# Altium PCB Mainboard_V1.0.PcbDoc (part 2 of 4)
Units mm, origin at the board's own origin, x right, y up, seen from the top; angles counter-clockwise.
Board outline 150 x 150 mm, 4 copper layers (Top Layer, Mid-Layer 1, Mid-Layer 2, Bottom Layer), stack 1.58 mm thick; 217 components, 154 nets, 806 pads, 700 vias.
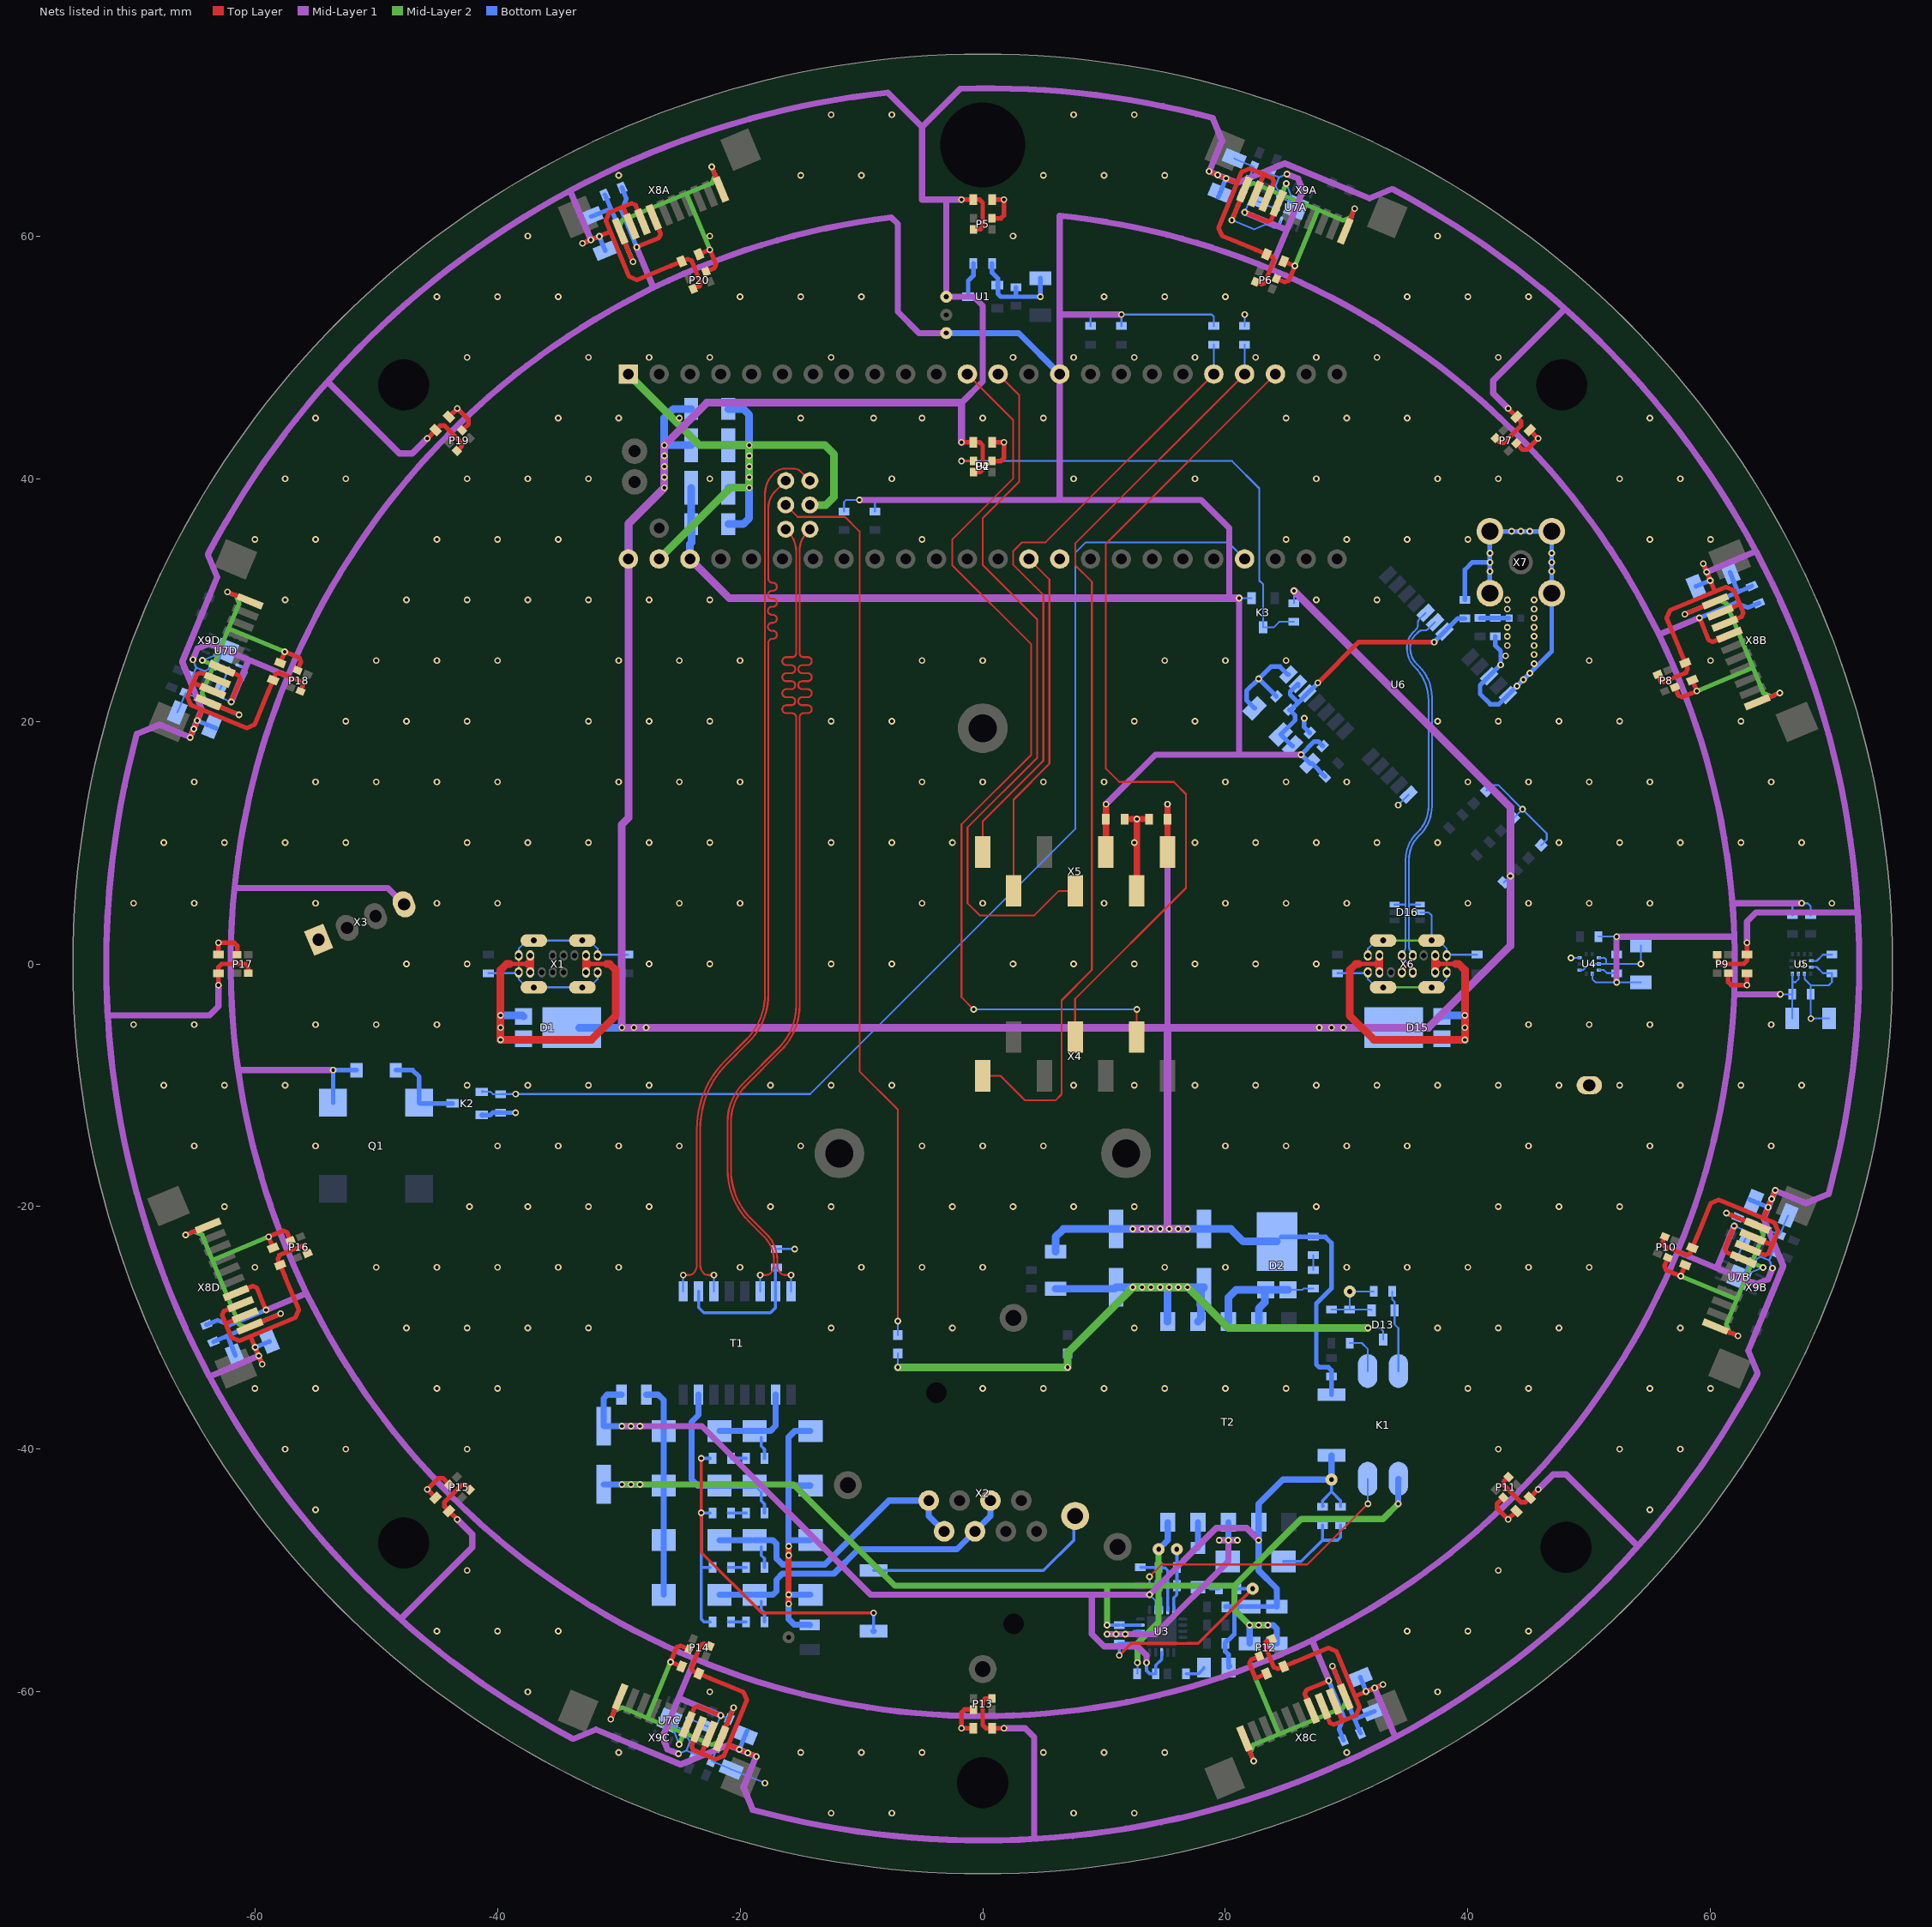
[diagram p4: the nets of this part, all layers, seen from the top]

## Via types
v1: diameter 0.55, hole 0.3, Top Layer to Bottom Layer, tented both sides, 652 vias
v2: diameter 0.55, hole 0.3, Top Layer to Bottom Layer, tented top, 48 vias

## Nets (pads, with @x,y where several pads share a name; then routed paths per layer and width w, separated by ;. In a path a pad name is that pad's centre, name@x,y a point inside that pad or via, vN(x,y) a via of type N, cw(c..) or ccw(c..) an arc to the next point about the centre after c; other vN are vias at no path point) (continued)
3V3: C4.P C5.2 C28.2 C29.2 C30.2 C31.2 C34.2 C52.1 C57A.2 C57B.2 C57C.2 C57D.2 C59A.2 C59B.2 C59C.2 C59D.2 C61A.2 C61B.2 C61C.2 C61D.2 D14.K K3.G L3.1 Q1.1 R2.2 R24.1 R25.1 R26.2 R27.2 R28.2 R29.2 R38.2 R39.1 R40.1 TP3.1 U2.15 U2.46 U4.1 U4.10 U5.9 U5.10 U7A.13 U7A.16 U7B.13 U7B.16 U7C.13 U7C.16 U7D.12 U7D.13 U7D.16 X3.4 X5.5 X8A.4 X8B.4 X8C.4 X8D.4 X9A.4 X9B.4 X9C.4 X9D.4 | length 791.1
  Top Layer w0.381: X9D.4@-62.705,24.35 -61.863,24.001 -61.319,23.776 -61.184,23.449 v1(-61.949,21.601) ; X8D.4@-61.557,-27.121 -60.716,-26.774 -60.172,-26.548 -59.845,-26.684 v1(-59.08,-28.531) ; v1(-28.531,59.08) -26.684,59.845 -26.548,60.172 -26.774,60.716 X8A.4@-27.121,61.557 ; X9C.4@-24.35,-62.703 -24.001,-61.863 -23.776,-61.319 -23.449,-61.184 v1(-21.601,-61.949) ; v1(21.601,61.949) 23.449,61.184 23.776,61.319 24.001,61.863 X9A.4@24.35,62.705 ; X8C.4@27.121,-61.556 26.774,-60.716 26.548,-60.172 26.684,-59.845 v1(28.531,-59.08) ; v1(59.08,28.531) 59.845,26.684 60.172,26.548 60.716,26.774 X8B.4@61.556,27.121 ; v1(61.949,-21.601) 61.184,-23.449 61.319,-23.776 61.863,-24.001 X9B.4@62.703,-24.35
  Top Layer w0.508: X5.5@10.16,9.22 10.16,11.938 v1(10.16,13.16)
  Mid-Layer 1 w0.508: v1(-65.11,25.075) -64.728,25.999 -63.748,26.405 -60.514,25.066 ; v1(-61.949,21.601) -60.514,25.066 ; v1(-59.08,-28.531) -55.741,-27.148 ; v1(-53.55,-8.75) -61.379,-8.75 ; X3.4@-47.702,4.915 -49.037,6.25 -61.684,6.25 ; v1(-28.531,59.08) -27.148,55.741 ; v1(-25.075,-65.11) -25.999,-64.728 -26.405,-63.748 -25.066,-60.514 ; v1(-21.601,-61.949) -25.066,-60.514 ; v1(-10.16,38.25) 6.35,38.25 ; TP3.1@-3,52 -5.25,52 -7,53.75 -7,61 -7.54,61.54 ccw(c0,0) -27.148,55.741 ; v1(10.16,13.16) 14.25,17.25 21.132,17.25 ; v1(11.43,53.532) 6.35,53.532 ; 20.325,30.25 20.325,35.925 18,38.25 6.35,38.25 ; v1(21.132,30.156) 21.132,17.25 ; v1(21.601,61.949) 25.066,60.514 ; v1(25.075,65.11) 25.999,64.728 26.405,63.748 25.066,60.514 ; v1(26.25,17.25) 21.132,17.25 ; v1(28.531,-59.08) 27.148,-55.741 ; v1(52.25,-1.524) v1(52.25,2.25) 61.959,2.25 ; v1(59.08,28.531) 55.741,27.148 ; v1(61.949,-21.601) 60.514,-25.066 ; 61.95,-2.498 ccw(c0,0) 61.959,2.25 ; v1(65.11,-25.075) 64.728,-25.999 63.748,-26.405 60.514,-25.066 ; v1(65.75,-2.5) 61.95,-2.5 cw(c0,0) 57.281,-23.726 ; v1(67.5,5) 61.798,5 ; -61.684,6.25 cw(c0,0) -57.281,23.726 ; -61.684,6.25 ccw(c0,0) -61.379,-8.75 ; -61.379,-8.75 ccw(c0,0) -55.741,-27.148 ; -60.514,25.066 -57.281,23.726 ; -57.281,23.726 cw(c0,0) -27.148,55.741 ; -55.741,-27.148 ccw(c0,0) -23.726,-57.281 ; -25.066,-60.514 -23.726,-57.281 ; -23.726,-57.281 ccw(c0,0) 27.148,-55.741 ; 6.35,38.25 U2.15@6.35,48.62 6.35,53.532 ; 6.35,53.532 6.35,61.674 cw(c0,0) 23.726,57.281 ; 23.726,57.281 cw(c0,0) 55.741,27.148 ; 23.726,57.281 25.066,60.514 ; 27.148,-55.741 ccw(c0,0) 57.281,-23.726 ; 55.741,27.148 cw(c0,0) 61.798,5 ; 57.281,-23.726 60.514,-25.066 ; 61.798,5 cw(c0,0) 61.959,2.25
  Mid-Layer 1 w0.635: U2.46@-24.13,33.38 -20.906,30.156 v1(21.132,30.156)
  Bottom Layer w0.152: C61D.2@-65.213,23.518 -65.121,23.74 -65.029,23.964 -64.84,24.422 ; v1(-65.11,25.075) -64.84,24.422 ; U7D.16@-63.712,24.529 -63.82,24.27 -64.088,24.159 cw(c-64.147,24.3) -64.205,24.159 -64.84,24.422 ; U7D.16@-63.711,24.529 U7D.16@-63.627,24.732 ; U7D.13@-62.242,24.158 -62.325,23.955 -62.72,23.006 C57D.2@-62.812,22.784 -62.905,22.561 -63.008,22.311 -62.873,21.984 v1(-61.949,21.601) -61.565,22.528 -61.279,23.218 -60.953,23.353 -60.666,24.046 -60.801,24.373 U7D.12@-61.058,24.48 ; U7D.12@-61.261,24.564 U7D.12@-61.058,24.48 ; v1(-25.075,-65.11) -24.422,-64.84 ; U7C.16@-24.733,-63.627 U7C.16@-24.529,-63.711 ; U7C.16@-24.529,-63.712 -24.27,-63.82 -24.159,-64.088 ; -24.159,-64.089 cw(c-24.3,-64.147) -24.159,-64.205 -24.422,-64.84 ; U7C.13@-24.158,-62.241 -23.955,-62.325 -23.006,-62.72 C57C.2@-22.784,-62.812 -22.561,-62.905 -22.311,-63.008 -21.984,-62.873 v1(-21.601,-61.949) -21.12,-62.148 R2.2@-20.897,-62.241 ; C61C.2@-23.518,-65.213 C61C.2@-23.741,-65.12 -23.964,-65.029 -24.422,-64.84 ; R25.1@-11.43,37.296 -11.43,38.07 -11.25,38.25 v1(-10.16,38.25) -9.07,38.25 -8.89,38.07 R24.1@-8.89,37.296 ; R39.1@8.89,52.578 8.89,53.352 9.07,53.532 v1(11.43,53.532) ; R40.1@11.43,52.578 v1(11.43,53.532) ; R29.2@19.05,52.578 19.05,53.352 18.87,53.532 16.69,53.532 v1(11.43,53.532) ; v1(21.132,30.156) K3.G@22.164,30.156 ; v1(21.601,61.949) 21.984,62.873 22.311,63.008 22.561,62.905 C57A.2@22.784,62.812 23.006,62.72 23.956,62.326 U7A.13@24.158,62.242 ; C61A.2@23.518,65.213 C61A.2@23.74,65.122 ; C61A.2@23.741,65.12 23.964,65.029 24.422,64.84 ; 24.159,64.088 24.27,63.82 U7A.16@24.529,63.712 ; 24.159,64.089 cw(c24.3,64.147) 24.159,64.205 24.422,64.84 v1(25.075,65.11) ; U7A.16@24.529,63.711 U7A.16@24.732,63.629 ; U4.1@50.25,-0.8 50.25,-1.25 50.524,-1.524 v1(52.25,-1.524) ; R26.2@50.762,2.25 v1(52.25,2.25) ; U4.10@50.8,-0.5 51.2,-0.5 51.4,-0.7 51.462,-0.762 C29.2@52.25,-0.762 v1(52.25,-1.524) ; C28.2@54.25,-1.524 v1(52.25,-1.524) ; v1(61.949,-21.601) 62.873,-21.984 63.008,-22.311 62.905,-22.561 C57B.2@62.812,-22.784 62.72,-23.006 U7B.13@62.326,-23.956 ; U7B.13@62.242,-24.158 U7B.13@62.325,-23.955 ; U7B.16@63.627,-24.732 63.711,-24.529 63.82,-24.27 64.088,-24.159 cw(c64.147,-24.3) 64.205,-24.159 64.84,-24.422 v1(65.11,-25.075) ; 64.84,-24.422 65.029,-23.964 C61B.2@65.122,-23.74 ; C61B.2@65.122,-23.74 C61B.2@65.213,-23.518 ; v1(65.75,-2.5) C31.2@66.738,-2.5 ; C30.2@66.726,-4.5 66.738,-4.488 C31.2@66.738,-2.5 ; U5.10@66.75,-0.81 66.75,-1.5 ; R27.2@66.75,4.012 66.75,4.75 67,5 v1(67.5,5) 68,5 68.25,4.75 R28.2@68.25,4.012 ; U5.9@67.25,-0.81 67.25,-1.25 67,-1.5 66.75,-1.5 ; C31.2@66.738,-2.5 66.75,-2.488 66.75,-1.5
  Bottom Layer w0.381: C59D.2@-63.99,-29.74 -63.754,-29.645 -63.062,-29.368 -62.082,-29.774 -61.62,-29.583 v1(-59.08,-28.531) ; Q1.1@-53.55,-11.45 v1(-53.55,-8.75) D14.K@-51.62,-8.75 ; C59A.2@-29.74,63.99 -29.645,63.754 -29.368,63.062 -29.774,62.082 -29.583,61.62 v1(-28.531,59.08) ; C52.1@28.039,17.961 27.662,18.337 27.337,18.337 v1(26.25,17.25) L3.1@26.968,16.532 27.141,16.532 R38.2@28.211,15.461 ; v1(28.531,-59.08) 29.583,-61.62 29.774,-62.082 29.368,-63.062 29.645,-63.754 C59C.2@29.739,-63.99 ; v1(59.08,28.531) 61.62,29.583 62.082,29.774 63.062,29.368 63.754,29.645 C59B.2@63.99,29.739
  Bottom Layer w0.508: TP3.1@-3,52 2.97,52 U2.15@6.35,48.62
  Bottom Layer w0.635: U2.46@-24.13,33.38 -24.13,34.62 -24,34.75 -24,36.226 C5.2@-24.024,36.25 C4.P@-24.024,39.25
5V: C1.2 C6.P C7.2 C9.1 C16.P C17.P C18.2 C33.2 C35.2 C36.2 C37.2 C38.2 C39.2 C40.2 C41.2 C42.2 C43.2 C44.2 C45.2 C46.2 C47.2 C48.2 C49.2 C50.2 C51.2 C60A.2 C60B.2 C60C.2 C60D.2 C62A.2 C62B.2 C62C.2 C62D.2 D1.K D2.K D15.K P4.1 P5.1 P6.1 P7.1 P8.1 P9.1 P10.1 P11.1 P12.1 P13.1 P14.1 P15.1 P16.1 P17.1 P18.1 P19.1 P20.1 R7.1 R8.2 R11.1 R32.2 TP2.1 U1.3 U2.48 X5.7 X8A.2 X8A.3 X8B.2 X8B.3 X8C.2 X8C.3 X8D.2 X8D.3 X9A.2 X9A.3 X9B.2 X9B.3 X9C.2 X9C.3 X9D.2 X9D.3 | length 1156.8
  Top Layer w0.381: v1(-65.328,18.671) v1(-65.041,19.364) v1(-64.754,20.057) -64.371,20.981 ; X9D.2@-63.469,22.502 -63.47,22.503 -64.309,22.85 -65.087,23.172 ; X9D.3@-63.086,23.426 -63.087,23.427 -63.926,23.774 -64.473,24 -64.8,23.864 -65.087,23.172 ; v1(-63,-1.75) C47.2@-63,-0.889 ; C47.2@-63,-0.762 -63,-0.25 -62.75,0 -60.75,0 -60.55,-0.2 P17.1@-60.55,-0.75 ; X8D.3@-61.174,-28.045 -62.014,-28.394 -62.56,-28.62 -62.696,-28.947 -62.409,-29.64 ; X8D.2@-60.791,-28.969 -61.631,-29.317 -62.409,-29.64 ; -60.353,-30.683 v1(-59.971,-31.606) v1(-59.684,-32.299) v1(-59.396,-32.992) ; C48.2@-58.447,23.522 C48.2@-58.496,23.405 ; C46.2@-57.961,-24.696 C46.2@-57.913,-24.813 ; P18.1@-56.228,22.479 -56.017,22.987 -56.126,23.248 -57.973,24.013 -58.3,23.878 C48.2@-58.496,23.405 ; P16.1@-55.654,-23.864 -55.864,-23.356 -56.126,-23.248 -57.973,-24.013 -58.109,-24.34 C46.2@-57.913,-24.813 ; v1(-45.785,43.31) C49.2@-45.176,43.919 ; C49.2@-45.087,44.009 -44.725,44.371 -44.371,44.371 -42.957,42.957 -42.957,42.674 P19.1@-43.346,42.285 ; C45.2@-44.009,-45.087 -44.371,-44.724 -44.371,-44.371 -42.957,-42.957 -42.674,-42.957 P15.1@-42.285,-43.346 ; C45.2@-43.919,-45.176 v1(-43.31,-45.785) ; v1@-32.992,59.397 v1(-32.299,59.684) v1(-31.606,59.971) -30.683,60.353 ; X8A.2@-28.969,60.791 -29.317,61.631 -29.64,62.409 ; X8A.3@-28.045,61.174 -28.394,62.014 -28.62,62.56 -28.947,62.696 -29.64,62.409 ; -25.727,57.535 -28.499,56.387 -29.152,56.658 -31.065,61.277 -30.795,61.93 -29.64,62.409 ; -25.726,57.535 -24.93,57.864 C50.2@-24.813,57.913 ; C50.2@-24.696,57.961 C50.2@-24.813,57.913 ; P20.1@-23.864,55.654 -23.356,55.864 -23.248,56.126 -24.013,57.973 -24.34,58.109 C50.2@-24.813,57.913 ; C44.2@-23.522,-58.447 C44.2@-23.405,-58.496 ; X9C.3@-23.426,-63.086 -23.774,-63.926 -24,-64.473 -23.864,-64.8 -23.172,-65.087 ; X9C.2@-22.502,-63.469 -22.85,-64.309 -23.172,-65.087 ; P14.1@-22.479,-56.228 -22.987,-56.017 -23.248,-56.126 -24.013,-57.973 -23.878,-58.3 C44.2@-23.405,-58.496 ; -20.981,-64.371 v1(-20.057,-64.754) v1(-19.364,-65.041) v1(-18.671,-65.328) ; v1(-1.75,43) C51.2@-0.889,43 ; v1(-1.75,63) C35.2@-0.889,63 ; C51.2@-0.762,43 -0.25,43 0,42.75 0,40.75 -0.2,40.55 P4.1@-0.75,40.55 ; C35.2@-0.762,63 -0.25,63 0,62.75 0,60.75 -0.2,60.55 P5.1@-0.75,60.55 ; P13.1@0.75,-60.55 0.2,-60.55 0,-60.75 0,-62.75 0.25,-63 C43.2@0.762,-63 ; C43.2@0.889,-63 v1(1.75,-63) ; v1(18.671,65.328) v1(19.364,65.041) v1(20.057,64.754) 20.981,64.371 ; P6.1@22.479,56.228 22.987,56.017 23.248,56.126 24.013,57.973 23.878,58.3 C36.2@23.405,58.496 ; X9A.2@22.502,63.469 X9A.2@22.502,63.47 22.85,64.309 23.172,65.087 ; X9A.3@23.426,63.086 23.427,63.087 23.774,63.926 24,64.473 23.864,64.8 23.172,65.087 ; C36.2@23.522,58.447 C36.2@23.405,58.496 ; P12.1@23.864,-55.654 23.356,-55.864 23.248,-56.126 24.013,-57.973 24.34,-58.109 C42.2@24.813,-57.913 ; C42.2@24.696,-57.961 C42.2@24.813,-57.913 ; 25.726,-57.535 24.93,-57.864 C42.2@24.813,-57.913 ; 25.727,-57.535 28.499,-56.387 29.152,-56.658 31.065,-61.277 30.795,-61.93 29.64,-62.409 ; X8C.3@28.045,-61.174 28.394,-62.014 28.62,-62.56 28.947,-62.696 29.64,-62.409 ; X8C.2@28.969,-60.791 29.317,-61.631 29.64,-62.409 ; 30.683,-60.353 v1(31.606,-59.971) v1(32.299,-59.684) v1(32.992,-59.396) ; P7.1@42.285,43.346 42.674,42.957 42.957,42.957 44.371,44.371 44.371,44.725 C37.2@44.009,45.087 ; v1(43.31,45.785) C37.2@43.919,45.176 ; P11.1@43.346,-42.285 42.957,-42.674 42.957,-42.957 44.371,-44.371 44.725,-44.371 C41.2@45.087,-44.009 ; C41.2@45.176,-43.919 v1(45.785,-43.31) ; P8.1@55.654,23.864 55.864,23.356 56.126,23.248 57.973,24.013 58.109,24.34 C38.2@57.913,24.813 ; P10.1@56.228,-22.479 56.017,-22.987 56.126,-23.248 57.973,-24.013 58.3,-23.878 C40.2@58.496,-23.405 ; 57.535,25.726 57.864,24.93 C38.2@57.913,24.813 ; 57.535,25.727 56.387,28.499 56.658,29.152 61.277,31.065 61.93,30.795 62.409,29.64 ; C38.2@57.961,24.696 C38.2@57.913,24.813 ; C40.2@58.447,-23.522 C40.2@58.496,-23.405 ; v1(59.396,32.992) v1(59.684,32.299) v1(59.971,31.606) 60.353,30.683 ; P9.1@60.55,0.75 60.55,0.2 60.75,0 62.75,0 63,0.25 C39.2@63,0.762 ; X8B.2@60.791,28.969 61.631,29.317 62.409,29.64 ; X8B.3@61.174,28.045 62.014,28.394 62.56,28.62 62.696,28.947 62.409,29.64 ; C39.2@63,0.889 v1(63,1.75) ; X9B.3@63.088,-23.426 63.087,-23.427 63.926,-23.774 64.473,-24 64.8,-23.864 65.087,-23.172 ; X9B.2@63.469,-22.502 63.47,-22.503 64.309,-22.85 65.087,-23.172 ; 64.371,-20.981 v1(64.754,-20.057) v1(65.041,-19.364) v1(65.328,-18.671) ; -65.087,23.172 -65.565,22.017 -65.295,21.363 -60.675,19.45 -60.022,19.721 -58.874,22.492 -58.545,23.288 C48.2@-58.496,23.405 ; -62.409,-29.64 -61.93,-30.795 -61.277,-31.065 -56.658,-29.152 -56.387,-28.499 -57.535,-25.727 -57.864,-24.93 C46.2@-57.913,-24.813 ; C44.2@-23.405,-58.496 -23.288,-58.545 -22.492,-58.874 -19.721,-60.022 -19.45,-60.675 -21.363,-65.295 -22.017,-65.565 -23.172,-65.087 ; 23.172,65.087 22.017,65.565 21.363,65.295 19.45,60.675 19.721,60.022 22.492,58.874 23.288,58.545 C36.2@23.405,58.496 ; C40.2@58.496,-23.405 58.545,-23.288 58.874,-22.492 60.022,-19.721 60.675,-19.45 65.295,-21.363 65.565,-22.017 65.087,-23.172
  Top Layer w0.508: X5.7@15.24,9.22 15.24,11.938 v1(15.24,13.16)
  Mid-Layer 1 w0.508: -72.095,-4.25 -63.75,-4.25 -63,-3.5 v1(-63,-1.75) ; -63.727,-34.043 ccw(c0,0) -33.759,-63.878 -31.884,-63.102 -24.9,-65.995 -20.981,-64.371 v1(-20.057,-64.754) v1(-19.364,-65.041) v1(-18.671,-65.328) -19.723,-67.868 -18.957,-69.719 ccw(c0,0) 4.5,-72.11 ccw(c0,0) 34.008,-63.746 v1(32.299,-59.684) ; v1(-59.684,-32.299) -63.746,-34.008 cw(c0,0) -69.719,18.957 -67.868,19.723 v1(-65.328,18.671) v1(-65.041,19.364) v1(-64.754,20.057) -64.371,20.981 -65.995,24.9 -63.102,31.884 -63.878,33.759 cw(c0,0) -34.043,63.727 ; -53.984,47.973 -48.083,42.073 -47.023,42.073 v1(-45.785,43.31) ; -47.973,-53.984 -42.073,-48.083 -42.073,-47.023 v1(-43.31,-45.785) ; v1(-32.299,59.684) -34.008,63.746 cw(c0,0) -7.825,71.825 -5,69 ; -1.75,46.25 0,48 0,54.25 -0.75,55 TP2.1@-3,55 -3,63 ; v1(-1.75,63) -3,63 ; v1(1.75,-63) 3.5,-63 4.25,-63.75 4.25,-72.095 ; v1(15.24,13.16) 15.24,-5.24 15.25,-5.25 ; 34.043,-63.727 ccw(c0,0) 63.878,-33.759 63.102,-31.884 65.995,-24.9 64.371,-20.981 v1(64.754,-20.057) v1(65.041,-19.364) v1(65.328,-18.671) 67.868,-19.723 69.719,-18.957 ccw(c0,0) 63.746,34.008 v1(59.684,32.299) ; v1(43.31,45.785) 42.073,47.023 42.073,48.083 47.973,53.984 ; v1(45.785,-43.31) 47.023,-42.073 48.083,-42.073 53.984,-47.973 ; v1(63,1.75) 63,3.5 63.75,4.25 72.095,4.25 ; 63.727,34.043 ccw(c0,0) 33.759,63.878 31.884,63.102 24.9,65.995 20.981,64.371 v1(20.057,64.754) v1(19.364,65.041) v1(18.671,65.328) 19.723,67.868 18.957,69.719 ccw(c0.593,2.18) -1.873,72.127 -5,69 ; -5,69 -5,63 -3,63
  Mid-Layer 1 w0.635: v1(-1.75,43) -1.75,46.25 -22.75,46.25 v1(-26.25,42.75) v1(-26.25,41.875) v1(-26.25,41) v1(-26.25,40.125) v1(-26.25,39.25) -29.21,36.29 -29.21,12.04 -29.75,11.5 v1(-29.75,-5.25) v1(-28.75,-5.25) v1(-27.75,-5.25) 15.24,-5.25 ; v1(12.375,-21.85) v1(13.125,-21.85) v1(13.875,-21.85) v1(14.625,-21.85) v1(15.375,-21.85) ; 15.24,-5.24 15.24,-5.25 ; v1@16.85,-21.85 v1(16.125,-21.85) v1(15.375,-21.85) ; v1(25.654,30.75) 43.5,12.904 v1(43.5,7.25) 43.5,1.5 36.75,-5.25 v1(29.75,-5.25) v1(28.75,-5.25) v1(27.75,-5.25) 15.25,-5.25 15.24,-5.25 ; 15.24,-5.25 15.24,-21.715 v1(15.375,-21.85)
  Bottom Layer w0.152: D2.K@24.25,-22.88 24.63,-22.5 24.642,-22.488 R7.1@27.25,-22.488 ; R32.2@25.654,29.718 v1(25.654,30.75) ; R8.2@42.961,6.711 v1(43.5,7.25)
  Bottom Layer w0.381: v1(-65.328,18.671) v1(-65.041,19.364) v1(-64.754,20.057) -63.927,19.715 C62D.2@-63.577,19.569 C62D.2@-63.577,19.569 -63.368,19.483 C62D.2@-63.223,19.423 ; v1(-59.396,-32.992) v1(-59.684,-32.299) v1(-59.971,-31.606) -59.144,-31.264 C60D.2@-58.793,-31.118 ; v1@-32.992,59.397 v1(-32.299,59.684) v1(-31.606,59.971) -31.264,59.144 C60A.2@-31.118,58.793 ; C62C.2@-19.423,-63.223 -19.483,-63.368 C62C.2@-19.57,-63.575 -19.715,-63.927 v1(-20.057,-64.754) v1(-19.364,-65.041) v1(-18.671,-65.328) ; TP2.1@-3,55 U1.3@-1.2,55 -1.2,56.3 -0.762,56.738 C1.2@-0.762,57.75 ; v1(18.671,65.328) v1(19.364,65.041) v1(20.057,64.754) 19.715,63.927 C62A.2@19.569,63.577 19.57,63.575 19.483,63.368 C62A.2@19.423,63.223 ; D2.K@24.63,-22.5 28.25,-22.5 28.75,-23 28.75,-26.75 27.5,-28 27.5,-33 27.75,-33.25 28.5,-33.25 28.75,-33.5 R11.1@28.75,-34.012 C9.1@28.75,-35.5 ; C60C.2@31.118,-58.793 31.264,-59.144 v1(31.606,-59.971) v1(32.299,-59.684) v1(32.992,-59.396) ; C60B.2@58.793,31.118 59.144,31.264 v1(59.971,31.606) v1(59.684,32.299) v1(59.396,32.992) ; C62B.2@63.223,-19.423 63.368,-19.483 63.575,-19.57 C62B.2@63.577,-19.569 63.927,-19.715 v1(64.754,-20.057) v1(65.041,-19.364) v1(65.328,-18.671)
  Bottom Layer w0.635: D1.K@-33.25,-5.25 v1(-29.75,-5.25) v1(-28.75,-5.25) v1(-27.75,-5.25) ; U2.48@-29.21,33.38 -29.21,36.29 v1(-26.25,39.25) v1(-26.25,40.125) v1(-26.25,41) v1(-26.25,41.875) v1(-26.25,42.75) ; C6.P@-24.024,42.75 v1(-26.25,42.75) ; C7.2@-24.024,45.75 -25.5,45.75 -26.25,45 v1(-26.25,42.75) ; C18.2@6,-23.726 6,-22.5 6.65,-21.85 C17.P@11,-21.85 v1(12.375,-21.85) v1(13.125,-21.85) v1(13.875,-21.85) v1(14.625,-21.85) v1(15.375,-21.85) v1(16.125,-21.85) v1(16.875,-21.85) C16.P@18.25,-21.85 20.45,-21.85 21.48,-22.88 D2.K@24.25,-22.88 ; v1(27.75,-5.25) v1(28.75,-5.25) v1(29.75,-5.25) D15.K@33.25,-5.25
  other v1: -32.992,59.396
EGND: C27.1 X2.9 | length 19.6
  Bottom Layer w0.254: C27.1@-9,-50 5,-50 7.5,-47.5 7.5,-45.62 X2.9@7.62,-45.5
ETH_RX_N: T1.8 U2.54 | length 73.2
  Top Layer w0.152: v1(-15.805,-25.64) -16.312,-25.64 cw(c-16.312,-25.162) -16.65,-25.5 cw(c-15.961,-24.811) -16.935,-24.811 -16.935,-24.396 ccw(c-19.896,-24.396) -17.802,-22.302 -19.085,-21.02 cw(c-15.065,-17) -20.75,-17 -20.75,-13.018 cw(c-16.482,-13.018) -19.5,-10 -16.625,-7.125 ccw(c-20.306,-3.444) -15.1,-3.444 -15.1,19.6 -15.1,20.337 cw(c-14.77,20.337) -14.77,20.667 -14.426,20.667 ccw(c-14.426,20.997) -14.426,21.327 -14.878,21.327 cw(c-14.878,21.657) -14.878,21.988 -14.426,21.988 ccw(c-14.426,22.318) -14.426,22.648 -14.878,22.648 cw(c-14.878,22.978) -14.878,23.308 -14.426,23.308 ccw(c-14.426,23.639) -14.426,23.969 -14.878,23.969 cw(c-14.878,24.299) -14.878,24.629 -14.426,24.629 ccw(c-14.426,24.959) -14.426,25.29 -14.77,25.29 cw(c-14.77,25.62) -15.1,25.62 -15.1,27.223 -15.1,34.025 cw(c-12.82,34.025) U2.54@-14.432,35.638
  Bottom Layer w0.152: T1.8@-15.805,-26.995 v1(-15.805,-25.64)
ETH_RX_P: T1.6 U2.55 | length 73.3
  Top Layer w0.152: v1(-18.345,-25.64) -17.838,-25.64 ccw(c-17.838,-25.162) -17.5,-25.5 ccw(c-18.189,-24.811) -17.215,-24.811 -17.215,-24.396 ccw(c-19.896,-24.396) -18,-22.5 -19.282,-21.218 cw(c-15.065,-17) -21.029,-17 -21.029,-13.018 cw(c-16.482,-13.018) -19.698,-9.802 -16.823,-6.927 ccw(c-20.306,-3.444) -15.38,-3.444 -15.38,20.259 -15.38,20.335 ccw(c-15.71,20.335) -15.71,20.665 -16.196,20.665 cw(c-16.196,20.995) -16.196,21.326 -15.78,21.326 ccw(c-15.78,21.656) -15.78,21.986 -16.196,21.986 cw(c-16.196,22.316) -16.196,22.646 -15.78,22.646 ccw(c-15.78,22.977) -15.78,23.307 -16.196,23.307 cw(c-16.196,23.637) -16.196,23.967 -15.78,23.967 ccw(c-15.78,24.297) -15.78,24.628 -16.196,24.628 cw(c-16.196,24.958) -16.196,25.288 -15.71,25.288 ccw(c-15.71,25.618) -15.38,25.618 -15.38,27.108 -15.38,34.025 ccw(c-17.66,34.025) U2.55@-16.048,35.638
  Bottom Layer w0.152: T1.6@-18.345,-26.995 v1(-18.345,-25.64)
ETH_SIG: P1.A U2.53 | length 74.5
  Top Layer w0.152: U2.53@-16.24,37.83 -15.26,36.85 -11.35,36.85 -10.15,35.65 -10.15,-8.85 -7,-12 v1(-7,-29.45)
  Bottom Layer w0.152: P1.A@-7,-30.6 v1(-7,-29.45)
ETH_TX_N: T1.3 U2.51 | length 73.5
  Top Layer w0.152: v1(-22.155,-25.64) -22.662,-25.64 cw(c-22.662,-25.162) -23,-25.5 cw(c-22.311,-24.811) -23.285,-24.811 -23.285,-13.588 cw(c-15.662,-13.588) -21.052,-8.198 -19.308,-6.453 ccw(c-23.261,-2.5) -17.671,-2.5 -17.671,25.731 -17.671,26.468 cw(c-17.34,26.468) -17.34,26.798 -17.3,26.798 ccw(c-17.3,27.128) -17.3,27.458 -17.379,27.458 cw(c-17.379,27.789) -17.379,28.119 -17.3,28.119 ccw(c-17.3,28.449) -17.3,28.779 -17.379,28.779 cw(c-17.379,29.109) -17.379,29.44 -17.3,29.44 ccw(c-17.3,29.77) -17.3,30.1 -17.379,30.1 cw(c-17.379,30.43) -17.379,30.76 -17.3,30.76 ccw(c-17.3,31.091) -17.3,31.421 -17.34,31.421 cw(c-17.34,31.751) -17.671,31.751 -17.671,32.531 -17.671,37.585 cw(c-15.703,37.585) -17.094,38.976 U2.51@-16.24,39.83
  Bottom Layer w0.152: T1.3@-22.155,-26.995 v1(-22.155,-25.64)
ETH_TX_P: T1.1 U2.50 | length 73.7
  Top Layer w0.152: v1(-24.695,-25.64) -24.188,-25.64 ccw(c-24.188,-25.162) -23.85,-25.5 ccw(c-24.539,-24.811) -23.565,-24.811 -23.565,-13.588 cw(c-15.662,-13.588) -21.25,-8 -19.506,-6.256 ccw(c-23.261,-2.5) -17.95,-2.5 -17.95,38.694 cw(c-15.497,38.694) -17.232,40.428 cw(c-16.25,39.447) -16.25,40.835 -15.604,40.835 cw(c-15.604,39.981) -15,40.585 U2.50@-14.245,39.83
  Bottom Layer w0.152: T1.1@-24.695,-26.995 v1(-24.695,-25.64)
GND: C1.1 C2.1 C3.1 C4.M C5.1 C6.M C7.1 C8.2 C16.M C17.M C18.1 C28.1 C29.1 C30.1 C31.1 C32.1 C33.1 C34.1 C35.1 C36.1 C37.1 C38.1 C39.1 C40.1 C41.1 C42.1 C43.1 C44.1 C45.1 C46.1 C47.1 C48.1 C49.1 C50.1 C51.1 C52.2 C53.1 C54.1 C55.2 C56.2 C57A.1 C57B.1 C57C.1 C57D.1 C58A.1 C58B.1 C58C.1 C58D.1 C59A.1 C59B.1 C59C.1 C59D.1 C60A.1 C60B.1 C60C.1 C60D.1 C61A.1 C61B.1 C61C.1 C61D.1 C62A.1 C62B.1 C62C.1 C62D.1 D13.3 D16.2 K2.S P1.K P2.K P3.K P4.3 P5.3 P6.3 P7.3 P8.3 P9.3 P10.3 P11.3 P12.3 P13.3 P14.3 P15.3 P16.3 P17.3 P18.3 P19.3 P20.3 P21.K P22.K R1.1 R3.2 R4.2 R23.2 R30.1 R31.1 R34.2 R35.2 T2.9 T2.10 TP4.1 U1.1 U2.1 U2.34 U2.47 U2.52 U4.3 U4.5 U4.8 U4.9 U5.6 U5.8 U6.10 U6.12 U6.13 U6.24 U7A.12 U7A.15 U7A.PAD U7B.15 U7B.PAD U7C.15 U7C.PAD U7D.15 U7D.PAD X1.A1 X1.A12 X1.B1 X1.B12 X1.G1 X1.G2 X1.G3 X1.G4 X3.1 X5.6 X6.A1 X6.A12 X6.B1 X6.B12 X6.G1 X6.G2 X6.G3 X6.G4 X7.2 X8A.1 X8A.10 X8B.1 X8B.10 X8C.1 X8C.10 X8D.1 X8D.10 X9A.1 X9A.10 X9B.1 X9B.10 X9C.1 X9C.10 X9D.1 X9D.10 | length 587.9